# Altium PCB 2m_DBoard_TX.PcbDoc (part 5 of 5)
Units mm, origin at the board's own origin, x right, y up, seen from the top; angles counter-clockwise.
Board outline 63.5 x 139.7 mm, 12 copper layers (Top RF, AGND, Inner RF, AGND 2, AVDD, AVDD 2, DVDD 2, DVDD, GND 2, Signal, GND, Bottom Layer), stack 2.626 mm thick; 263 components, 212 nets, 1246 pads, 1554 vias.
Unrouted connection lines stored in the file: 414.
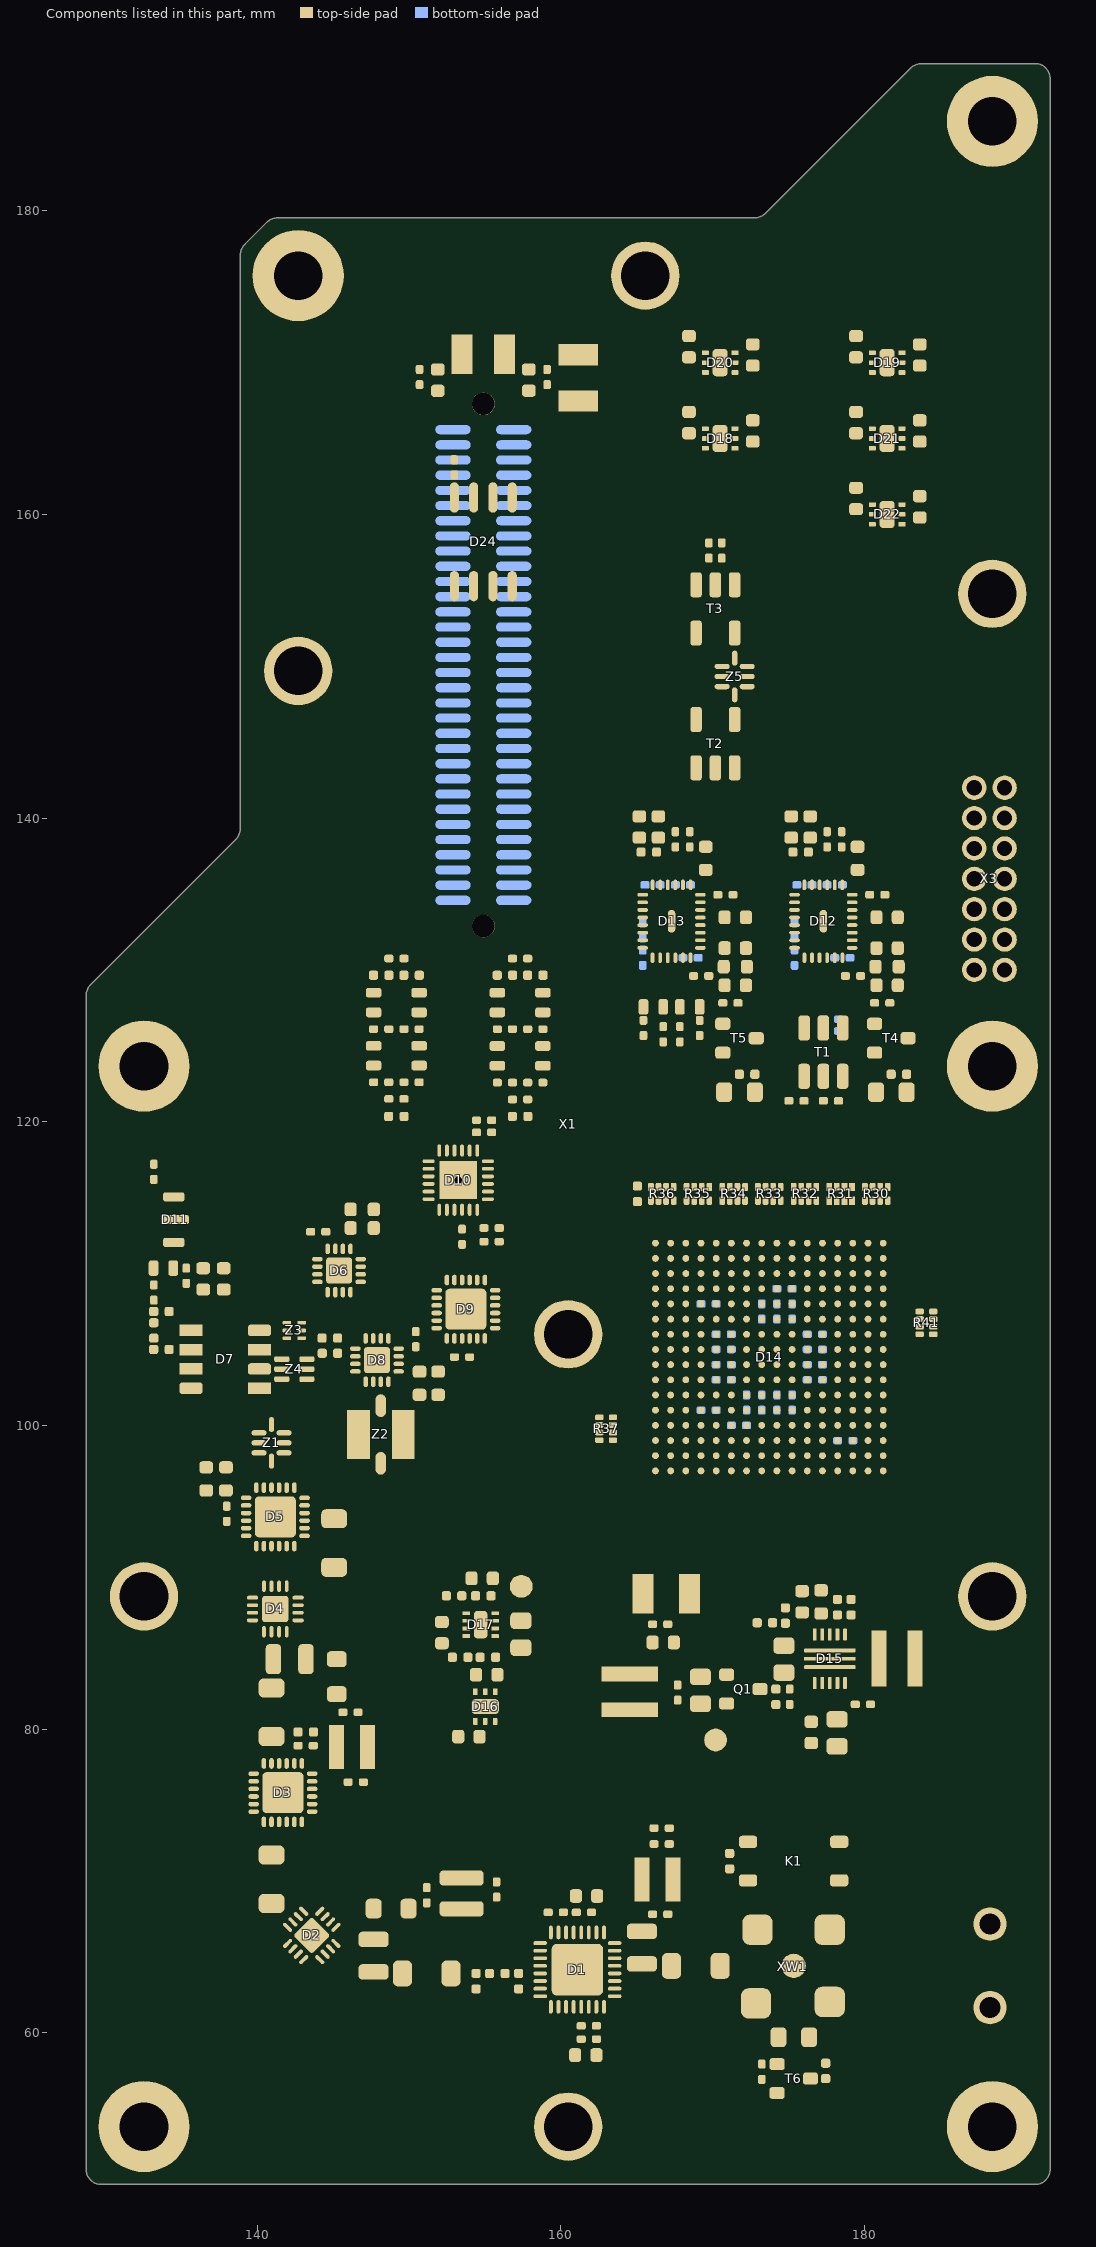
[diagram p15: the components of this part, seen from the top]

## Other copper (continued)
AGND (plane layer: these items are gaps in the copper):
  lines w0.51: 140.825,83.865 140.825,85.335 141.335,85.335 141.335,83.865 140.825,83.865 ; 146.94,63.745 148.41,63.745 148.41,64.255 146.94,64.255 146.94,63.745 ; 164.615,64.275 164.615,64.785 166.085,64.785 166.085,64.275 164.615,64.275
  lines w0.625: 140.412,68.195 141.487,68.195 141.487,68.82 140.412,68.82 140.412,68.195 ; 140.412,71.395 141.487,71.395 141.487,72.02 140.412,72.02 140.412,71.395 ; 140.412,79.195 141.487,79.195 141.487,79.82 140.412,79.82 140.412,79.195 ; 140.412,82.395 141.487,82.395 141.487,83.02 140.412,83.02 140.412,82.395 ; 144.537,90.34 145.612,90.34 145.612,90.965 144.537,90.965 144.537,90.34 ; 144.537,93.54 145.612,93.54 145.612,94.165 144.537,94.165 144.537,93.54 ; 149.265,63.362 149.265,64.437 149.89,64.437 149.89,63.362 149.265,63.362 ; 152.465,63.363 152.465,64.438 153.09,64.438 153.09,63.363 152.465,63.363 ; 166.99,63.863 166.99,64.938 167.615,64.938 167.615,63.863 166.99,63.863 ; 170.19,63.863 170.815,63.863 170.815,64.938 170.19,64.938 170.19,63.863
  lines w0.7: 148.15,97.1 148.15,97.9 ; 148.15,100.9 148.15,101.7
AVDD 2 (plane layer: these items are gaps in the copper):
  lines w0.5: 128.75,84.75 129,84.5 154.75,84.5 154.75,88 ; 128.75,116.25 146.311,116.25 158,104.561 158,91.25 154.75,88 ; 152.25,84.5 152.25,88 154.75,88 ; 175.5,181.9 175.5,163.196 162.7,150.396 162.7,126 168.7,120 192.2,120 ; 154.75,88 154.75,88
  lines w0.8: 134.126,113.55 137.099,113.55 ; 137.099,112.407 137.861,112.407 ; 137.099,114.693 137.861,114.693 137.861,112.407 ; 137.862,113.169 138.623,113.169 ; 137.862,113.931 138.623,113.931 138.623,113.169 ; 137.099,113.55 137.099,113.55 ; 137.099,115.455 136.337,115.455 136.337,111.645 137.099,111.645 137.099,115.455 ; 137.099,115.455 137.099,115.455 ; 137.861,112.407 137.861,112.407 ; 138.623,113.169 138.623,113.169 ; 143.034,66.405 143.6,66.971 144.166,66.405 143.6,65.84 ; 143.034,66.405 143.6,65.84 ; 143.034,66.405 143.034,66.405 ; 143.6,65.84 143.6,65.84 ; 140.8,87.505 141.6,87.505 141.6,88.305 140.8,88.305 140.8,87.505 ; 145,109.8 145.8,109.8 145.8,110.6 145,110.6 145,109.8 ; 147.5,103.9 148.3,103.9 148.3,104.7 147.5,104.7 147.5,103.9 ; 166.85,164.7 167.45,164.7 167.45,165.3 166.85,165.3 166.85,164.7 ; 166.85,169.7 167.45,169.7 167.45,170.3 166.85,170.3 166.85,169.7 ; 173.65,164.35 174.25,164.35 174.25,164.95 173.65,164.95 173.65,164.35 ; 177.85,159.7 178.45,159.7 178.45,160.3 177.85,160.3 177.85,159.7 ; 177.85,164.7 178.45,164.7 178.45,165.3 177.85,165.3 177.85,164.7 ; 177.85,169.7 178.45,169.7 178.45,170.3 177.85,170.3 177.85,169.7 ; 184.65,159.35 185.25,159.35 185.25,159.95 184.65,159.95 184.65,159.35 ; 184.65,164.35 185.25,164.35 185.25,164.95 184.65,164.95 184.65,164.35
AVDD (plane layer: these items are gaps in the copper):
  lines w0.254: 169.502,81.102 171.002,81.102
  lines w0.3: 169.502,81.102 171.002,81.102 173.002,83.102 173.002,87.602 171.502,87.602 169.502,85.602 169.502,81.102
  lines w0.5: 128.7,116.2 146.4,116.2 152.4,110.2 157.892,110.2 157.892,145.592 175.5,163.2 175.5,173 ; 161.575,179.55 161.575,169.35 162,168.925 163.675,168.925 164.25,169.5 164.25,171.5 165.75,173 184.981,173 186.5,171.481 186.5,158.75 181.5,153.75 181.5,94.263 181.57,87.43 183,86 192.25,86 ; 181.5,116.25 181.5,120.5 ; 163.75,75.9 167.3,72.35 168.95,72.35 169.55,72.95 169.55,74.3 167.25,76.6 167.25,91.25 166.75,91.75 164.25,91.75 163.75,91.25 163.75,75.9
  lines w0.8: 134.126,113.55 137.099,113.55 ; 137.099,112.407 137.861,112.407 ; 137.099,114.693 137.861,114.693 137.861,112.407 ; 137.862,113.169 138.623,113.169 ; 137.862,113.931 138.623,113.931 138.623,113.169 ; 137.099,113.55 137.099,113.55 ; 137.099,115.455 136.337,115.455 136.337,111.645 137.099,111.645 137.099,115.455 ; 137.099,115.455 137.099,115.455 ; 137.861,112.407 137.861,112.407 ; 138.623,113.169 138.623,113.169 ; 143.034,66.405 143.6,66.971 ; 143.034,66.405 143.6,65.84 ; 143.034,66.405 143.034,66.405 ; 143.6,65.84 144.166,66.405 143.6,66.971 ; 143.6,65.84 143.6,65.84 ; 143.6,66.971 143.6,66.971 ; 140.8,87.505 141.6,87.505 141.6,88.305 140.8,88.305 140.8,87.505 ; 145,109.8 145.8,109.8 145.8,110.6 145,110.6 145,109.8 ; 147.5,103.9 148.3,103.9 148.3,104.7 147.5,104.7 147.5,103.9 ; 166.85,164.7 167.45,164.7 167.45,165.3 166.85,165.3 166.85,164.7 ; 166.85,169.7 167.45,169.7 167.45,170.3 166.85,170.3 166.85,169.7 ; 173.65,169.35 174.25,169.35 174.25,169.95 173.65,169.95 173.65,169.35 ; 177.85,159.7 178.45,159.7 178.45,160.3 177.85,160.3 177.85,159.7 ; 177.85,164.7 178.45,164.7 178.45,165.3 177.85,165.3 177.85,164.7 ; 177.85,169.7 178.45,169.7 178.45,170.3 177.85,170.3 177.85,169.7 ; 184.65,159.35 185.25,159.35 185.25,159.95 184.65,159.95 184.65,159.35 ; 184.65,169.35 185.25,169.35 185.25,169.95 184.65,169.95 184.65,169.35
DVDD (plane layer: these items are gaps in the copper):
  lines w0.3: 153.95,162.3 153.95,162.85 154.175,163.075 158.471,163.075 158.9,162.7 158.9,161.45 158.525,161.075 155.175,161.075 153.95,162.3
  lines w0.8: 134.126,113.55 137.099,113.55 ; 137.099,112.407 137.861,112.407 ; 137.099,114.693 137.861,114.693 137.861,112.407 ; 137.862,113.169 138.623,113.169 ; 137.862,113.931 138.623,113.931 138.623,113.169 ; 137.099,115.455 136.337,115.455 136.337,111.645 137.099,111.645 137.099,115.455 ; 137.099,115.455 137.099,115.455 ; 137.861,112.407 137.861,112.407 ; 138.623,113.169 138.623,113.169 ; 143.034,66.405 143.6,66.971 144.166,66.405 143.6,65.84 ; 143.034,66.405 143.6,65.84 ; 143.034,66.405 143.034,66.405 ; 143.6,65.84 143.6,65.84 ; 140.8,87.505 141.6,87.505 141.6,88.305 140.8,88.305 140.8,87.505 ; 145,109.8 145.8,109.8 145.8,110.6 145,110.6 145,109.8 ; 147.5,103.9 148.3,103.9 148.3,104.7 147.5,104.7 147.5,103.9 ; 166.85,164.7 167.45,164.7 167.45,165.3 166.85,165.3 166.85,164.7 ; 166.85,169.7 167.45,169.7 167.45,170.3 166.85,170.3 166.85,169.7 ; 173.65,164.35 174.25,164.35 174.25,164.95 173.65,164.95 173.65,164.35 ; 173.65,169.35 174.25,169.35 174.25,169.95 173.65,169.95 173.65,169.35 ; 177.85,159.7 178.45,159.7 178.45,160.3 177.85,160.3 177.85,159.7 ; 177.85,164.7 178.45,164.7 178.45,165.3 177.85,165.3 177.85,164.7 ; 177.85,169.7 178.45,169.7 178.45,170.3 177.85,170.3 177.85,169.7 ; 184.65,164.35 185.25,164.35 185.25,164.95 184.65,164.95 184.65,164.35 ; 184.65,169.35 185.25,169.35 185.25,169.95 184.65,169.95 184.65,169.35
DVDD 2 (plane layer: these items are gaps in the copper):
  lines w0.8: 134.126,113.55 135.65,113.55 137.099,113.55 ; 137.099,112.407 137.861,112.407 ; 137.099,114.693 137.861,114.693 137.861,112.407 ; 137.862,113.169 138.623,113.169 ; 137.862,113.931 138.623,113.931 138.623,113.169 ; 136.337,115.455 136.337,115.455 ; 136.337,115.455 137.099,115.455 ; 136.337,115.455 136.337,111.645 137.099,111.645 137.099,115.455 ; 137.099,113.55 137.099,113.55 ; 137.099,115.455 137.099,115.455 ; 137.861,112.407 137.861,112.407 ; 138.623,113.169 138.623,113.169 ; 143.034,66.405 143.6,66.971 144.166,66.405 143.6,65.84 ; 143.034,66.405 143.6,65.84 ; 143.034,66.405 143.034,66.405 ; 143.6,65.84 143.6,65.84 ; 140.8,87.505 141.6,87.505 141.6,88.305 140.8,88.305 140.8,87.505 ; 145,109.8 145.8,109.8 145.8,110.6 145,110.6 145,109.8 ; 147.5,103.9 148.3,103.9 148.3,104.7 147.5,104.7 147.5,103.9 ; 173.65,164.35 174.25,164.35 174.25,164.95 173.65,164.95 173.65,164.35 ; 173.65,169.35 174.25,169.35 174.25,169.95 173.65,169.95 173.65,169.35 ; 184.65,159.35 185.25,159.35 185.25,159.95 184.65,159.95 184.65,159.35 ; 184.65,164.35 185.25,164.35 185.25,164.95 184.65,164.95 184.65,164.35 ; 184.65,169.35 185.25,169.35 185.25,169.95 184.65,169.95 184.65,169.35

## Silkscreen, mask and mechanical layers (free items; w line width, h text height)
Top Overlay:
  text "Device / Serial Number" at 148.362,148.716 h2
  text "CPLD JTAG" at 184.65,132.8 h1.8 r90
  text "RF OUT" at 173.52,67.87 h1.5
  text "TX" at 171.61,59.25 h1.5
Top Solder:
  drawing of 217 lines, arcs and shapes, not listed
Bottom Solder:
  pour cut-out: 157.5,92.1 cw(c157.5,90.1) 159.5,90.1 159.5,79.35 cw(c157.5,79.35) 157.5,77.35 152.5,77.35 cw(c152.5,79.35) 150.5,79.35 150.5,90.1 cw(c152.5,90.1) 152.5,92.1
  pour cut-out: 133.25,119 151.65,119 ccw(c151.575,119.425) 152,119.5 152,120 cw(c153.5,120) 153.5,121.5 155.5,121.5 cw(c155.498,119.998) 157,120 157,103.5 cw(c155.243,103.478) 156.5,102.25 146.45,92.2 cw(c144.883,93.594) 145,91.5 138,91.5 cw(c137.979,93.259) 136.75,92 132.25,96.5 cw(c133.509,97.729) 131.75,97.75 131.75,117.5 cw(c133.25,117.5)
  pour cut-out: 187.75,69 188.75,69 cw(c188.751,67.501) 190.25,67.5 190.25,61.25 cw(c188.751,61.249) 188.75,59.75 187.75,59.75 cw(c187.75,61.25) 186.25,61.25 186.25,67.5 cw(c187.75,67.5)
  pour cut-out: 170.2,160.148 cw(c170.2,158.65) 171.698,158.65 cw(c170.2,158.65) 170.2,157.152 cw(c170.2,158.65) 168.702,158.65 cw(c170.2,158.65)
  pour cut-out: 163.75,121.5 ccw(c165.25,121.5) 165.25,120 181.5,120 ccw(c181.5,121.5) 183,121.5 183,136 ccw(c181.5,136) 181.5,137.5 165.25,137.5 ccw(c165.249,136.001) 163.75,136
  pour cut-out: 149,171.15 cw(c150.5,171.15) 150.5,172.65 184.75,172.65 cw(c184.751,171.151) 186.25,171.15 186.25,159.65 cw(c184.752,159.648) 184.75,158.15 178.25,158.15 cw(c178.249,159.649) 176.75,159.65 176.75,161.65 ccw(c175.251,161.651) 175.25,163.15 161.75,163.15 ccw(c161.749,161.651) 160.25,161.65 160.25,132.25 cw(c158.816,132.184) 158.75,130.75 150.5,130.75 cw(c150.5,132.25) 149,132.25
  pour cut-out: 156.75,71.748 cw(c156.75,70.25) 158.248,70.25 cw(c156.75,70.25) 156.75,68.752 cw(c156.75,70.25) 155.252,70.25 cw(c156.75,70.25)
  pour cut-out: 141,81 cw(c142.5,81) 142.5,82.5 146.5,82.5 cw(c146.5,81) 148,81 148,72.5 cw(c146.5,72.5) 146.5,71 142.5,71 cw(c142.5,72.5) 141,72.5
  pour cut-out: 178.5,74.5 cw(c178.5,73) 180,73 180,56 cw(c178.5,56) 178.5,54.5 167,54.5 cw(c167,56) 165.5,56 165.5,73 cw(c167,73) 167,74.5
  pour cut-out: 164,115.5 cw(c165.5,115.5) 165.5,117 184,117 cw(c184,115.5) 185.5,115.5 185.5,96.5 cw(c184.001,96.499) 184,95 162.75,95 cw(c162.75,96.5) 161.25,96.5 161.25,100 cw(c162.75,100) 162.75,101.5 163.3,101.5 ccw(c163.3,102.2) 164,102.2
  pour cut-out: 163.75,90.1 163.75,82.1 ccw(c165.25,82.105) 165.255,80.605 183.505,80.605 ccw(c183.505,82.105) 185.005,82.105 185,90.1 ccw(c183.5,90.1) 183.5,91.6 165.25,91.6 ccw(c165.25,90.1)
  pour cut-out: 186.99,144 189.49,144 cw(c189.491,142.501) 190.99,142.5 190.99,129.5 cw(c189.491,129.499) 189.49,128 186.99,128 cw(c186.99,129.5) 185.49,129.5 185.49,142.5 cw(c186.99,142.5)
Board Shape:
  the board outline again, w0.254

## Dimensions
188.43,123.66 to 188.43,185.89 on Dimensions
188.43,185.89 to 188.43,154.775 on Dimensions
132.55,53.81 to 132.55,123.66 on Dimensions
132.55,123.66 to 142.71,175.73 on Dimensions
132.55,53.81 to 188.43,53.81 on Dimensions
132.55,53.81 to 160.49,53.81 on Dimensions
132.55,53.81 to 132.55,88.735 on Dimensions
132.55,53.81 to 160.49,106 on Dimensions
142.71,149.695 to 142.71,175.73 on Dimensions
142.71,175.73 to 188.43,185.89 on Dimensions
132.55,123.66 to 142.71,175.73 on Dimensions
165.57,175.73 to 188.43,185.89 on Dimensions
188.43,53.81 to 188.43,123.66 on Dimensions
188.43,53.81 to 188.43,88.735 on Dimensions

## Text inside footprints (layer, text, board x,y; h text height)
X1: Bottom Overlay "64" at 159.902,134.184 h1.27; Bottom Overlay "2" at 159.402,165.184 h1.27; Bottom Overlay "TX" at 157.932,168.926 h2; Bottom Overlay "1" at 150.802,165.184 h1.27; Bottom Overlay "63" at 151.002,134.184 h1.27